# Altium PCB mach PCB.PcbDoc (part 3 of 6) (continued)
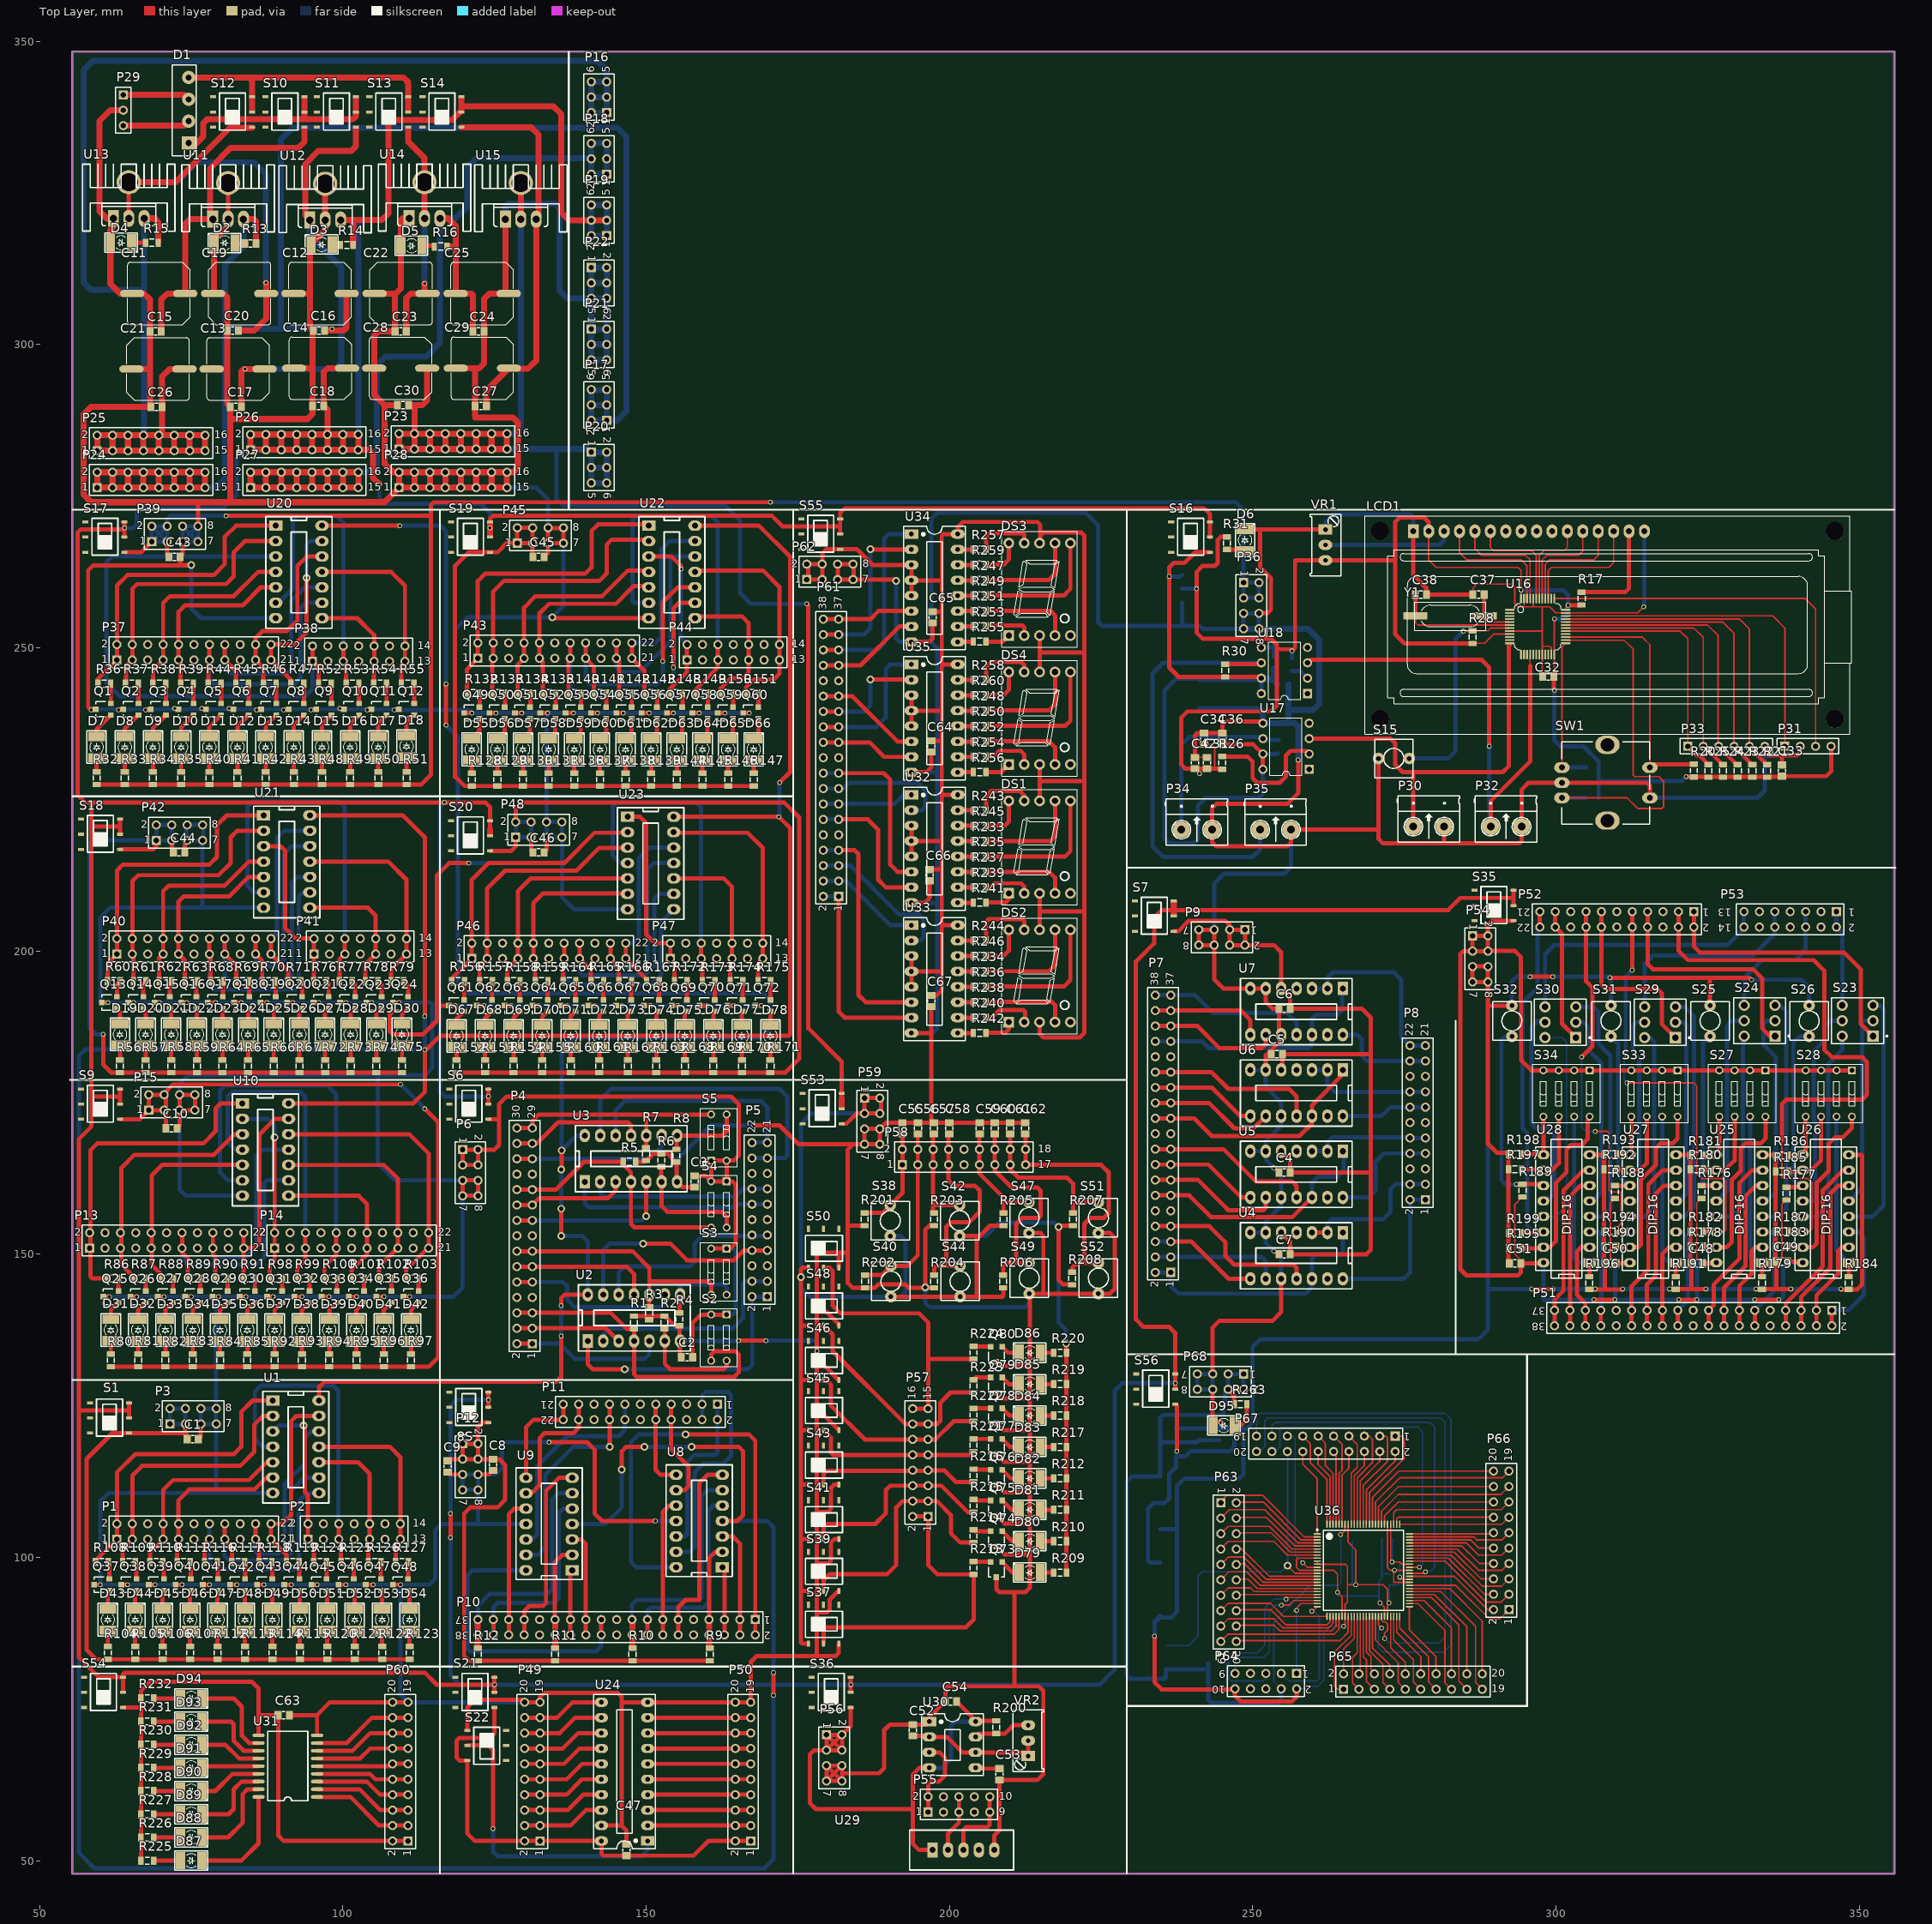
[diagram p0: Top Layer view]
## Nets (pads, with @x,y where several pads share a name; then routed paths per layer and width w, separated by ;. In a path a pad name is that pad's centre, name@x,y a point inside that pad or via, vN(x,y) a via of type N, cw(c..) or ccw(c..) an arc to the next point about the centre after c; other vN are vias at no path point) (continued)
  Bottom Layer w0.254: 197,251 197.03,250.97 ; 233.828,88.908 C78.2@235,90.08 ; P68.6@243.5,127.79 P68.6@243.42,127.71 243.575,127.555 C71.2@243.575,125.25 ; C79.1@244.5,121.175 C79.1@244.625,121.3 ; C76.1@246.875,121.3 C76.1@247,121.175 ; C39.1@253.5,248.425 254.325,248.425 ; P64.2@257.25,78.34 R262.2@259.39,78.34 ; R262.2@259.75,78.7 260.7,78.7 261.75,79.75 261.75,87.5 262.88,88.63 pad.10@265,88.63 ; C75.2@266.425,102.63 266.425,95.88 C69.2@265.925,95.38 266.88,95.38 pad.0@267,95.5 ; pad.4@272.5,92.5 C70.2@272.5,93.805 ; C70.2@272.675,93.63 C70.2@272.5,93.805 ; C72.2@273.175,103.13 273,102.955 pad.0@273,99.25 274,99.25 274.25,99 pad.1@274.25,96.75 274.25,95.75 273.955,95.455 C68.2@272.5,95.455 C70.2@272.5,93.805
  Bottom Layer w0.7: pad.0@58.5,239.75 58.609,239.859 108.891,239.859 109,239.75 ; pad.36@61.5,143 pad.35@66,143 pad.34@70.5,143 pad.33@75,143 pad.32@79.5,143 ; P15.5@73.08,173.75 73.08,160.67 74.12,159.63 U10.7@83.44,159.63 ; P15.6@73.08,176.29 73.08,178.08 74.5,179.5 105.75,179.5 ; P42.5@74.25,217.75 74.25,220.71 P42.6@74.33,220.79 P42.8@76.87,220.79 77,220.66 77,218.25 P42.7@76.87,218.25 ; P42.5@74.33,218.25 P42.7@76.87,218.25 ; v1(75,263.655) 75,256.5 76.62,254.88 U20.7@88.94,254.88 ; U21.7@86.94,207.13 77,207.13 ; U1.7@88.44,110.63 79.25,110.63 ; pad.11@108.5,239.75 109,239.75 ; pad.16@118.5,191 pad.15@169,191 ; P6.7@119.75,159.63 119.75,144.5 118.25,143 pad.25@111,143 pad.26@106.75,143 pad.27@102.25,143 pad.28@97.75,143 pad.29@93.25,143 pad.30@88.5,143 pad.31@84,143 pad.32@79.5,143 ; P6.5@119.75,162.17 108.58,162.17 105.75,165 105.75,179.5 ; pad.83@120.75,214.5 135.87,214.5 136.12,214.75 ; P28.15@127.058,276.412 131.838,276.412 133.83,274.42 P45.6@133.83,269.79 ; P49.20@129.96,76.11 P60.19@110.75,76.11 109.5,77.36 pad.38@109.5,95.5 ; U9.11@130.19,105.5 122.25,105.5 ; P48.6@133.5,221.25 133.58,221.17 P48.5@133.58,218.75 P48.7@136.12,218.75 ; pad.4@133.75,239.25 133.58,239.08 P48.6@133.58,221.29 P48.8@136.12,221.29 P48.7@136.12,218.75 ; pad.29@134,119 126.75,119 126.25,118.5 126.25,114.75 125.17,113.67 P12.6@122.29,113.67 ; P45.7@136.37,267.25 136.37,256.87 v1(134.5,255) 120.5,255 118.5,253 118.5,239.75 ; U23.7@146.94,206.88 138.12,206.88 136.12,208.88 136.12,214.75 ; pad.28@151.5,106 U8.11@154.94,106 ; U3.7@155.12,161.94 155.12,165.62 160.75,171.25 pad.62@167.75,171.25 ; U2.7@155.62,135.69 165.19,135.69 pad.41@165.25,135.75 ; pad.0@167,239.25 pad.1@121.25,239.25 120.75,239.75 118.5,239.75 ; pad.43@169.75,135.75 177.75,135.75 178.15,135.35 pad.42@178.15,134 ; v1(191.25,261) 191.25,251.5 191.78,250.97 U34.8@193.75,250.97 197.03,250.97 198,250 198,229.25 ; U33.8@193.75,186.47 197.22,186.47 198,187.25 198,208 ; U32.8@193.75,207.97 197.97,207.97 198,208 ; U35.8@193.75,229.47 197.78,229.47 198,229.25 ; v1(196,144.5) 196,142 196.703,141.297 212.547,141.297 213.167,141.917 S49.2@213.167,143.483 ; 197,251 197,271.25 198,272.25 222.5,272.25 224.5,270.25 224.5,254.25 225.126,253.624 238.35,253.624 ; Y2.2@233.828,85.452 pad.81@233.828,87 233.828,88.908 233.828,89.454 C78.2@234.75,90.376 ; C77.2@234.75,104.626 237.5,104.626 ; C78.2@235,90.08 236.58,90.08 237.5,91 237.5,104.626 ; U37.1@237.4,121.3 C79.1@244.625,121.3 ; U19.1@238.35,257.45 238.35,253.624 ; C71.2@243.575,125.25 243.42,125.405 P68.6@243.42,127.71 ; P9.5@243.67,203.5 243.67,211.17 245.25,212.75 255.25,212.75 256.33,213.83 P35.2@256.33,220 ; C73.2@244.675,78.25 247,78.25 P64.10@247.09,78.34 ; pad.82@244.75,122.25 244.75,121.425 C79.1@244.625,121.3 ; P36.7@248.5,253.13 241.744,253.13 C41.2@241.25,253.624 238.35,253.624 ; P36.7@248.5,253.25 P36.5@248.5,255.67 P36.6@251.04,255.67 P36.8@251.04,253.13 251.04,250.46 U18.5@251.44,250.06 252.44,250.06 ; U4.7@249.63,153.56 U4.6@252.17,153.56 ; U5.7@249.63,166.977 U5.6@252.17,166.977 ; U6.7@249.63,180.393 U6.6@252.17,180.393 252.17,177.58 254.71,175.04 U6.10@254.71,172.773 254.71,171.21 252.17,168.67 U5.6@252.17,166.977 ; 252.5,250.12 252.44,250.06 ; C39.1@253.5,248.425 253.5,250 253.44,250.06 252.44,250.06 ; U4.10@254.71,145.94 254.71,149.29 pad.27@253.5,150.5 252.17,151.83 U4.6@252.17,153.56 ; 255.925,237.575 255.94,237.56 ; 256,237.75 256,239.5 C35.1@256,243.925 ; VR1.1@262,269.5 262,270.75 263.25,272 267.75,272 ; 266,272 267.75,272 ; LCD1.1@276.5,269.22 276.5,271.5 276,272 267.75,272 ; P54.8@288.79,194.88 288.79,144.25 ; S32.1@292.75,191 292.75,195 293.5,195.75 pad.1@295.75,195.75 ; pad.21@296,144.25 288.79,144.25 ; pad.22@299.5,144.25 pad.23@306.5,144.25 ; pad.0@299.5,195.75 308.75,195.75 309.083,195.417 S31.1@309.083,191 ; pad.15@311,144.25 pad.16@318.75,144.25 ; pad.75@314.5,256.75 314.6,256.85 LCD1.16@314.6,269.22 ; SW1.4@315.5,225.25 333.25,225.25 334.45,226.45 P33.6@334.45,233.75 ; pad.19@324.75,144.25 pad.17@333,144.25 ; pad.3@332.25,195.25 340.5,195.25 341.75,194 S26.1@341.75,191 ; pad.20@338.75,144.25 pad.18@347,144.25 ; P39.5@73.58,267.5 P39.7@76.12,267.5 ; P39.5@73.58,267.5 P39.6@73.58,270.04 ; P39.5@73.58,267.5 74.85,268.77 ; P39.6@73.58,270.04 74.85,268.77 ; P39.6@73.58,270.04 73.5,270.12 73.5,270.25 73.71,270.04 P39.8@76.12,270.04 ; 74.85,268.77 P39.7@76.12,267.5 ; 74.85,268.77 P39.8@76.12,270.04 ; P39.7@76.12,267.5 P39.8@76.12,270.04 ; P42.7@76.87,218.25 76.87,207.26 77,207.13 ; 77,207.13 61.63,207.13 60,205.5 60,191.5 pad.13@61.25,191.5 pad.14@65.5,191.5 pad.15@69.75,191.5 pad.16@74.25,191.5 pad.17@79,191.5 pad.18@83.25,191.5 pad.19@87.5,191.5 pad.20@91.75,191.5 pad.21@96,191.5 pad.22@100.5,191.5 pad.23@104.75,191.5 pad.24@109.25,191.5 114.5,191.5 114.75,191.25 114.75,180.75 113.5,179.5 105.75,179.5 ; P3.7@79.12,122 P3.8@79.12,124.54 ; P3.7@79.12,122 P3.5@76.58,122 P3.6@76.58,124.54 P3.8@79.12,124.54 ; P3.7@79.12,122 79.12,110.76 79.25,110.63 ; P3.8@79.12,124.54 79.12,142.62 pad.32@79.5,143 ; 79.25,110.63 61.38,110.63 60,109.25 pad.49@60,95.5 pad.48@64.5,95.5 pad.47@69,95.5 pad.46@73.5,95.5 pad.45@78,95.5 pad.44@82.5,95.5 pad.43@87,95.5 pad.42@91.5,95.5 pad.41@95.75,95.5 pad.40@100.5,95.5 pad.39@105,95.5 pad.38@109.5,95.5 ; 109,239.75 118.5,239.75 ; pad.38@109.5,95.5 114.25,95.5 115.25,96.5 115.25,104.5 116.25,105.5 122.25,105.5 ; 122.25,105.5 122.29,105.54 P12.8@122.29,111.13 ; P12.8@122.29,111.13 P12.6@122.29,113.67 ; P12.8@122.29,111.13 P12.7@119.75,111.13 P12.5@119.75,113.67 P12.6@122.29,113.67 ; 136.12,214.75 P48.7@136.12,218.75 ; 198,208 198,229.25 ; 237.5,104.626 237.5,111.75 238.75,113 247.75,113 248.5,113.75 248.5,121.3 ; P68.6@243.42,127.71 P68.5@243.42,130.25 P68.7@240.88,130.25 P68.8@240.88,127.71 P68.6@243.42,127.71 ; C79.1@244.625,121.3 246.875,121.3 248.5,121.3 ; 248.5,121.3 249.05,121.3 250,122.25 250,134.75 251.25,136 287.25,136 288.79,137.54 288.79,144.25 ; U4.6@252.17,153.56 252.17,155.42 254.71,157.96 U5.10@254.71,159.357 254.71,163.04 pad.28@253.5,164.25 252.17,165.58 U5.6@252.17,166.977
  Bottom Layer w1: U15.1@126.804,320.671 126.804,322.804 127.25,323.25 135,323.25 135.75,322.5 135.75,308.875 137,307.625 P22.5@140.96,307.625 ; P22.1@140.96,312.705 P22.3@140.96,310.165 ; P22.1@141.25,312.705 P22.2@143.5,312.705 P22.4@143.5,310.165 ; C40.2@241.25,239.874 251.126,239.874 251.69,239.31 U17.5@251.69,237.56 255.94,237.56 256.94,237.56 257.5,237 pad.71@257.5,231.5 ; P36.7@248.5,253.13 248.5,253.25 248.62,253.13 P36.8@251.04,253.13 259.12,253.13 261,251.25 261,240.75 260,239.75 256.25,239.75 256,239.5 ; 255.925,237.575 C35.1@255.925,244 ; P21.3@140.96,300.013 P21.4@143.5,300.013 ; P21.3@140.96,300.013 P21.1@140.96,302.553 ; P21.3@140.96,300.013 P21.5@140.96,297.473 P21.6@143.5,297.473 P21.4@143.5,300.013 ; P21.1@140.96,302.553 P21.2@143.5,302.553 ; P21.1@140.96,302.553 P22.5@140.96,307.625 ; P22.5@140.96,307.625 P22.6@143.5,307.625 ; P22.5@140.96,307.625 P22.3@140.96,310.165 ; P22.3@140.96,310.165 P22.4@143.5,310.165 ; P21.4@143.5,300.013 P21.2@143.5,302.553 ; P21.2@143.5,302.553 P22.6@143.5,307.625 ; P22.6@143.5,307.625 P22.4@143.5,310.165
IO0: P63.1 U36.2 | length 19.2
  Top Layer w0.254: P63.1@244.75,109.25 245.75,110.25 251.63,110.25 258.5,103.38 U36.2@260.65,103.38
IO1: P63.2 U36.3 | length 16.2
  Top Layer w0.254: P63.2@247,109.13 251.75,109.13 258,102.88 U36.3@260.65,102.88
IO2: P63.3 U36.4 | length 18.8
  Top Layer w0.254: P63.3@244.75,106.46 246.17,107.88 252,107.88 257.5,102.38 U36.4@260.65,102.38
IO3: P63.4 U36.5 | length 15.6
  Top Layer w0.254: P63.4@247,106.59 252.29,106.59 257,101.88 U36.5@260.65,101.88
IO4: P63.5 U36.6 | length 18
  Top Layer w0.254: P63.5@244.75,103.92 245.96,105.13 252.75,105.13 256.5,101.38 U36.6@260.65,101.38
IO5: P63.6 U36.7 | length 14.7
  Top Layer w0.254: P63.6@247.29,104.05 253.08,104.05 256.25,100.88 U36.7@260.65,100.88
IO6: P63.7 U36.8 | length 17.3
  Top Layer w0.254: P63.7@244.75,101.38 246,102.63 253.5,102.63 255.75,100.38 U36.8@260.65,100.38
IO7: P63.8 U36.15 | length 15.6
  Top Layer w0.254: P63.8@247,101.51 248.12,101.51 252.75,96.88 U36.15@260.65,96.88
IO8: P63.9 U36.16 | length 17.9
  Top Layer w0.254: P63.9@244.75,98.84 245.957,100.047 248.583,100.047 252.25,96.38 U36.16@260.65,96.38
IO9: P63.10 U36.17 | length 14.6
  Top Layer w0.254: P63.10@247.29,98.97 248.66,98.97 251.75,95.88 U36.17@260.65,95.88
IO10: P63.11 U36.18 | length 18
  Top Layer w0.254: P63.11@244.75,96.3 246.08,97.63 249,97.63 251.25,95.38 U36.18@260.65,95.38 261.264,95.38
IO11: P63.12 U36.19 | length 13.8
  Top Layer w0.254: P63.12@247.5,96.43 249.2,96.43 250.75,94.88 U36.19@260.65,94.88
IO12: P63.13 U36.20 | length 16.6
  Top Layer w0.254: P63.13@244.75,93.76 245.957,94.967 249.663,94.967 250.25,94.38 U36.20@260.65,94.38
IO13: P63.14 U36.21 | length 13.9
  Top Layer w0.254: P63.14@246.75,93.89 246.76,93.88 U36.21@260.65,93.88
IO14: P63.15 U36.26 | length 18.9
  Top Layer w0.254: P63.15@244.75,91.22 245.957,92.427 252.953,92.427 255.1,90.28 U36.26@262.25,90.28
IO15: P63.16 U36.27 | length 17.6
  Top Layer w0.254: P63.16@247.29,91.35 253.03,91.35 255.5,88.88 262.25,88.88 262.75,89.38 U36.27@262.75,90.28
IO16: P63.17 U36.28 | length 21.1
  Top Layer w0.254: P63.17@244.75,88.68 245.957,89.887 253.493,89.887 255,88.38 262.5,88.38 263.25,89.13 U36.28@263.25,90.28
IO17: P63.18 U36.29 | length 18.8
  Top Layer w0.254: P63.18@247.29,88.81 253.57,88.81 254.5,87.88 263,87.88 263.75,88.63 U36.29@263.75,90.28
IO18: P63.19 U36.30 | length 22.8
  Top Layer w0.254: P63.19@244.75,86.14 245.957,87.347 263.467,87.347 264.25,88.13 264.25,89.705 U36.30@264.25,90.28 ; 264.25,88.846 264.25,89.13
IO19: P63.20 U36.33 | length 21.7
  Top Layer w0.254: P63.20@247.25,86.27 264.39,86.27 265.75,87.63 U36.33@265.75,90.28
IO20: P65.1 U36.34 | length 14.4
  Top Layer w0.254: P65.1@265,78.25 264,78.25 263.5,78.75 263.5,84.38 266.25,87.13 U36.34@266.25,90.28
IO21: P65.2 U36.35 | length 10.2
  Top Layer w0.254: P65.2@265,80.79 265,84.88 266.75,86.63 U36.35@266.75,90.28
IO22: P65.3 U36.36 | length 12.8
  Top Layer w0.254: U36.36@267.25,90.28 267.25,84.25 266.463,83.463 266.463,79.327 P65.3@267.54,78.25
IO23: P65.4 U36.37 | length 9.6
  Top Layer w0.254: P65.4@267.54,80.79 267.75,81 U36.37@267.75,90.28
IO24: P65.5 U36.38 | length 12.8
  Top Layer w0.254: U36.38@268.25,90.28 268.25,83.63 268.75,83.13 268.75,79.58 P65.5@270.08,78.25
IO25: P65.6 U36.39 | length 10
  Top Layer w0.254: U36.39@268.75,90.28 268.75,84.38 269.5,83.63 269.5,81.5 P65.6@270.145,80.855
IO26: P65.7 U36.40 | length 13.4
  Top Layer w0.254: U36.40@269.25,90.28 269.25,84.63 271.5,82.38 271.5,79.37 P65.7@272.62,78.25
IO27: P65.8 U36.41 | length 10.7
  Top Layer w0.254: U36.41@269.75,90.28 269.75,85.13 272.62,82.26 P65.8@272.62,80.79
IO28: P65.9 U36.42 | length 14.1
  Top Layer w0.254: U36.42@270.25,90.28 270.25,86.38 274,82.63 274,79.41 P65.9@275.16,78.25
IO29: P65.10 U36.47 | length 10.5
  Top Layer w0.254: U36.47@272.75,90.28 272.75,85.13 275.16,82.72 P65.10@275.16,80.79
IO30: P65.11 U36.48 | length 13.9
  Top Layer w0.254: U36.48@273.25,90.28 273.25,86.38 276.5,83.13 276.5,79.45 P65.11@277.7,78.25
IO31: P65.12 U36.49 | length 11.3
  Top Layer w0.254: U36.49@273.75,90.28 273.75,87.63 277.75,83.63 277.75,81.04 P65.12@277.5,80.79
IO32: P65.13 U36.50 | length 14.5
  Top Layer w0.254: U36.50@274.25,90.28 274.25,88.38 279,83.63 279,79.49 P65.13@280.24,78.25
IO33: P65.14 U36.51 | length 12.9
  Top Layer w0.254: U36.51@275.85,91.88 275.85,88.03 280.24,83.64 P65.14@280.24,80.75
IO34: P65.15 U36.52 | length 17.8
  Top Layer w0.254: U36.52@275.85,92.38 277.25,92.38 281.703,87.927 281.703,79.327 P65.15@282.78,78.25
IO35: P65.16 U36.53 | length 16.4
  Top Layer w0.254: U36.53@275.85,92.88 278.25,92.88 282.78,88.35 P65.16@282.78,80.79
IO36: P65.17 U36.54 | length 21.2
  Top Layer w0.254: U36.54@275.85,93.38 279.5,93.38 284,88.88 284,79.57 P65.17@285.32,78.25
IO37: P65.18 U36.55 | length 19.4
  Top Layer w0.254: U36.55@275.85,93.88 280,93.88 285.32,88.56 P65.18@285.32,80.79
IO38: P65.19 U36.56 | length 24.1
  Top Layer w0.254: U36.56@275.85,94.38 281,94.38 286.75,88.63 286.75,79.36 P65.19@287.86,78.25
IO39: P65.20 U36.57 | length 23
  Top Layer w0.254: U36.57@275.85,94.88 282.5,94.88 287.86,89.52 P65.20@287.86,80.79
IO40: P66.1 U36.58 | length 19.3
  Top Layer w0.254: U36.58@275.85,95.38 283.5,95.38 289,89.88 290.75,89.88 P66.1@292.25,91.38
IO41: P66.2 U36.61 | length 16.1
  Top Layer w0.254: U36.61@275.85,96.88 283.25,96.88 288.75,91.38 P66.2@289.71,91.38
IO42: P66.3 U36.66 | length 19.7
  Top Layer w0.254: U36.66@275.85,99.38 281.75,99.38 288.5,92.63 290.96,92.63 P66.3@292.25,93.92
IO43: P66.4 U36.67 | length 16.3
  Top Layer w0.254: U36.67@275.85,99.88 282.25,99.88 288.21,93.92 P66.4@289.71,93.92
IO44: P66.5 U36.68 | length 19
  Top Layer w0.254: U36.68@275.85,100.38 282.75,100.38 287.88,95.25 291.04,95.25 P66.5@292.25,96.46
IO45: P66.6 U36.69 | length 15.7
  Top Layer w0.254: U36.69@275.85,100.88 283.25,100.88 287.67,96.46 P66.6@289.71,96.46
IO46: P66.7 U36.70 | length 18.3
  Top Layer w0.254: U36.70@275.85,101.38 283.75,101.38 287.25,97.88 291.13,97.88 P66.7@292.25,99
IO47: P66.8 U36.71 | length 15.1
  Top Layer w0.254: U36.71@275.85,101.88 284.5,101.88 287.38,99 P66.8@289.71,99
IO48: P66.9 U36.72 | length 17.7
  Top Layer w0.254: U36.72@275.85,102.38 285.25,102.38 287.25,100.38 291.09,100.38 P66.9@292.25,101.54
IO49: P66.10 U36.73 | length 14.4
  Top Layer w0.254: U36.73@275.85,102.88 286,102.88 287.34,101.54 P66.10@289.71,101.54
IO50: P66.11 U36.74 | length 17.1
  Top Layer w0.254: U36.74@275.85,103.38 286.5,103.38 287,102.88 291.05,102.88 P66.11@292.25,104.08
IO51: P66.12 U36.75 | length 13.9
  Top Layer w0.254: U36.75@275.85,103.88 P66.12@289.71,103.88
IO52: P66.13 U36.76 | length 18.5
  Top Layer w0.254: U36.76@274.25,105.48 291.11,105.48 P66.13@292.25,106.62
IO53: P66.14 U36.77 | length 17
  Top Layer w0.254: U36.77@273.75,105.48 273.75,106.38 273.99,106.62 P66.14@289.71,106.62
IO54: P66.15 U36.78 | length 21.6
  Top Layer w0.254: U36.78@273.25,105.48 273.25,107.38 273.75,107.88 290.97,107.88 P66.15@292.25,109.16
IO55: P66.16 U36.81 | length 20.3
  Top Layer w0.254: U36.81@271.75,105.48 271.75,106.88 274.03,109.16 P66.16@289.71,109.16
IO56: P66.17 U36.82 | length 24.8
  Top Layer w0.254: U36.82@271.25,105.48 271.25,107.63 274,110.38 290.93,110.38 P66.17@292.25,111.7
IO57: P66.18 U36.83 | length 23.2
  Top Layer w0.254: U36.83@270.75,105.48 270.75,108.38 274.07,111.7 P66.18@289.71,111.7
IO58: P66.19 U36.84 | length 27.8
  Top Layer w0.254: U36.84@270.25,105.48 270.25,109.13 274.25,113.13 291.14,113.13 P66.19@292.25,114.24
IO59: P66.20 U36.85 | length 26.2
  Top Layer w0.254: U36.85@269.75,105.48 269.75,109.88 274.11,114.24 P66.20@289.71,114.24
IO60: P67.1 U36.86 | length 18.1
  Top Layer w0.254: U36.86@269.25,105.48 269.25,110.63 275,116.38 275,119.5 274.5,120 P67.1@273.5,120
IO61: P67.2 U36.87 | length 13.9
  Top Layer w0.254: U36.87@268.75,105.48 268.75,111.13 273.5,115.88 P67.2@273.5,117.46
IO62: P67.3 U36.88 | length 17.3
  Top Layer w0.254: U36.88@268.25,105.48 268.25,111.88 272.25,115.88 272.25,119.75 272,120 P67.3@270.96,120
IO63: P67.4 U36.89 | length 13.3
  Top Layer w0.254: U36.89@267.75,105.48 267.75,112.63 270.96,115.84 P67.4@270.96,117.46
IO64: P67.5 U36.90 | length 16.6
  Top Layer w0.254: U36.90@267.25,105.48 267.25,113.13 269.75,115.63 269.75,119.5 269.25,120 P67.5@268.42,120
IO65: P67.6 U36.91 | length 12.7
  Top Layer w0.254: U36.91@266.75,105.48 266.75,113.46 268.42,115.13 P67.6@268.42,117.46
IO66: P67.7 U36.92 | length 15.5
  Top Layer w0.254: P67.7@265.88,120 267.25,118.63 267.25,114.88 266.25,113.88 U36.92@266.25,105.48
IO67: P67.8 U36.95 | length 12.4
  Top Layer w0.254: U36.95@264.75,105.48 264.75,113.63 265.88,114.76 P67.8@265.88,117.46
IO68: P67.9 U36.96 | length 15.3
  Top Layer w0.254: P67.9@263.34,120 264.75,118.59 264.75,114.38 264.25,113.88 U36.96@264.25,105.48
IO69: P67.10 U36.97 | length 11.6
  Top Layer w0.254: U36.97@263.75,105.48 P67.10@263.75,117.05
IO70: P67.11 U36.98 | length 15.5
  Top Layer w0.254: P67.11@260.8,120 262,118.8 262,115.13 263.25,113.88 U36.98@263.25,105.48
IO71: P67.12 U36.99 | length 12.8
  Top Layer w0.254: P67.12@260.8,117.46 260.8,115.33 262.75,113.38 U36.99@262.75,105.48
IO72: P67.13 U36.100 | length 16.2
  Top Layer w0.254: P67.13@258.26,120 259.5,118.76 259.5,115.63 262.25,112.88 U36.100@262.25,105.48
IO73: P67.14 U36.1 | length 14.6
  Top Layer w0.254: P67.14@258.26,117.46 258.26,115.37 260.65,112.98 U36.1@260.65,103.88
J0: P10.1 P10.2 U8.14 | length 81
  Top Layer w0.7: v1(156.5,120.25) 167,120.25 168,119.25 P10.1@168,89.75 P10.2@168,87.21
  Bottom Layer w0.7: U8.14@154.94,98.38 148.37,98.38 147.5,99.25 147.5,119 148.75,120.25 v1(156.5,120.25)
J1: P10.11 P10.12 U8.7 | length 32.2
  Top Layer w0.7: P10.12@155.3,87.21 P10.11@155.3,89.75 155.3,91.8 156.5,93 158.75,93 158.75,112.25 160.12,113.62 U8.7@162.56,113.62
J2: P10.21 P10.22 U9.14 | length 51.7
  Top Layer w0.7: P10.22@142.6,87.21 P10.21@142.6,89.75
  Bottom Layer w0.7: U9.14@130.19,97.88 121.38,97.88 120.5,97 120.5,85 121,84.5 141.75,84.5 142.6,85.35 P10.22@142.6,87.21 P10.21@142.6,89.75
J3: P10.31 P10.32 U9.7 | length 31.8
  Top Layer w0.7: P10.32@129.9,87.21 P10.31@129.9,89.75 129.9,91.15 130.75,92 133,92 133.5,92.5 133.5,111 135.62,113.12 U9.7@137.81,113.12
JKCLK0: P10.5 P10.6 U8.1 | length 11.3
  Top Layer w0.7: U8.1@162.56,98.38 162.92,98.02 P10.5@162.92,89.75 P10.6@162.92,87.21
JKCLK1: P10.15 P10.16 U8.5 | length 32.5
  Top Layer w0.7: P10.16@150.22,87.21 P10.15@150.22,89.75
  Bottom Layer w0.7: P10.15@150.22,89.75 150.22,91.22 150.75,91.75 159.5,91.75 160.25,92.5 160.25,107.75 161.04,108.54 U8.5@162.56,108.54
JKCLK2: P10.25 P10.26 U9.1 | length 10.8
  Top Layer w0.7: P10.26@137.52,87.21 P10.25@137.52,89.75 137.52,97.59 U9.1@137.81,97.88
JKCLK3: P10.35 P10.36 U9.5 | length 32.5
  Top Layer w0.7: P10.36@124.82,87.21 P10.35@124.82,89.75
  Bottom Layer w0.7: P10.35@124.82,89.75 124.82,91.82 125.5,92.5 134.75,92.5 135.6,93.35 135.6,107.35 136.29,108.04 U9.5@137.81,108.04
JKCLR0: P10.7 P10.8 R9.1 U8.2 | length 17.5
  Top Layer w0.7: P10.7@160.38,89.75 160.38,99.88 161.42,100.92 U8.2@162.56,100.92
  Top Layer w1: P10.7@160.38,89.75 P10.8@160.38,87.21 160.38,85.17 R9.1@160.5,85.05
JKCLR1: P10.17 P10.18 R10.1 U8.6 | length 39.7
  Top Layer w1: P10.17@147.68,89.75 147.75,89.68 R10.1@147.75,85.05
  Bottom Layer w0.7: P10.17@147.68,89.75 147.68,92.18 148.5,93 158.75,93 159.15,93.4 159.15,110.15 160.08,111.08 U8.6@162.56,111.08
JKCLR2: P10.27 P10.28 R11.1 U9.2 | length 20.1
  Top Layer w0.7: P10.28@134.98,87.21 P10.27@134.98,89.75 134.98,99.23 136.17,100.42 U9.2@137.81,100.42
  Top Layer w1: P10.27@134.98,89.75 135,89.73 R11.1@135,85.05
JKCLR3: P10.37 P10.38 R12.1 U9.6 | length 41.4
  Top Layer w1: R12.1@122.25,85.05 122.25,89.72 P10.37@122.28,89.75
  Bottom Layer w0.7: P10.38@122.28,87.21 P10.37@122.28,89.75 122.28,92.03 124.25,94 133.75,94 134.5,94.75 134.5,109.58 135.5,110.58 U9.6@137.81,110.58
JKNQ0: P11.3 P11.4 U8.13 | length 42
  Bottom Layer w0.7: U8.13@154.94,100.92 157.17,100.92 158,101.75 158,114 159.5,115.5 162.75,115.5 164,116.75 164,126.75 163.5,127.25 159.75,127.25 159.25,126.75 P11.4@159.25,122.71
JKNQ1: P11.9 P11.10 U8.8 | length 14.5
  Top Layer w0.7: P11.9@151.59,125.25 P11.10@151.59,122.71 151.59,114.41 152.38,113.62 U8.8@154.94,113.62
JKNQ2: P11.15 P11.16 U9.13 | length 35.2
  Top Layer w0.7: P11.15@143.97,125.25 144,125.22 v1(144,118.25)
  Bottom Layer w0.7: U9.13@130.19,100.42 132.17,100.42 133.4,101.65 133.4,113.65 138,118.25 v1(144,118.25)
JKNQ3: P11.21 P11.22 U9.8 | length 17.5
  Top Layer w0.7: U9.8@130.19,113.12 130.19,121.44 131.46,122.71 P11.22@136.35,122.71 P11.21@136.35,125.25
JKQ0: P11.1 P11.2 U8.12 | length 27.5
  Bottom Layer w0.7: U8.12@154.94,103.46 156.36,103.46 156.79,103.89 156.79,115.75 157.905,116.865 161.365,116.865 161.75,117.25 P11.2@161.75,122.71 P11.1@161.75,125.25
JKQ1: P11.7 P11.8 U8.9 | length 17
  Top Layer w0.7: P11.7@154.13,125.25 P11.8@154.13,122.71 154.13,117.87 157,115 157,111.75 156.33,111.08 U8.9@154.94,111.08
JKQ2: P11.13 P11.14 U9.12 | length 34.6
  Bottom Layer w0.7: U9.12@130.19,102.96 131.21,102.96 132.04,103.79 132.04,115.04 137,120 145.5,120 146.51,121.01 P11.14@146.51,122.71 P11.13@146.51,125.25
JKQ3: P11.19 P11.20 U9.9 | length 21.6
  Top Layer w0.7: U9.9@130.19,110.58 131.08,110.58 132.5,112 132.5,119.75 133.25,120.5 138,120.5 138.89,121.39 P11.20@138.89,122.71 P11.19@138.89,125.25
K0: P10.3 P10.4 U8.3 | length 18.5
  Top Layer w0.7: U8.3@162.56,103.46 164.29,103.46 165.46,102.29 P10.3@165.46,89.75 P10.4@165.46,87.21
K1: P10.13 P10.14 U8.10 | length 22.9
  Top Layer w0.7: P10.14@152.76,87.21 P10.13@152.76,89.75 152.76,107.51 153.79,108.54 U8.10@154.94,108.54
K2: P10.23 P10.24 U9.3 | length 17.5
  Top Layer w0.7: U9.3@137.81,102.96 139.29,102.96 140.06,102.19 P10.23@140.06,89.75 P10.24@140.06,87.21
K3: P10.33 P10.34 U9.10 | length 23.1
  Top Layer w0.7: P10.34@127.36,87.21 P10.33@127.36,89.75 127.36,107.15 128.25,108.04 U9.10@130.19,108.04
LCD_D4: LCD1.11 U16.42 | length 15
  Top Layer w0.254: U16.42@297.25,258.116 297.25,265.25 298.071,266.071 301.429,266.071 301.9,266.542 LCD1.11@301.9,269.22
LCD_D5: LCD1.12 U16.41 | length 17
  Top Layer w0.254: U16.41@297.75,258.116 297.75,264.5 298.5,265.25 303.75,265.25 304.44,265.94 LCD1.12@304.44,269.22
LCD_D6: LCD1.13 U16.40 | length 19
  Top Layer w0.254: U16.40@298.25,258.116 298.25,263.75 299,264.5 306.25,264.5 306.98,265.23 LCD1.13@306.98,269.22
LCD_D7: LCD1.14 U16.39 | length 21.1
  Top Layer w0.254: U16.39@298.75,258.116 298.75,262.75 299.25,263.25 308.75,263.25 309.52,264.02 LCD1.14@309.52,269.22
LCD_EN: LCD1.6 U16.43 | length 17.9
  Top Layer w0.254: LCD1.6@289.2,269.22 289.2,266.55 289.75,266 296,266 296.75,265.25 U16.43@296.75,258.116
LCD_RS: LCD1.4 U16.46 | length 21.3
  Top Layer w0.254: LCD1.4@284.12,269.22 284.12,265.63 285.25,264.5 294.25,264.5 295.227,263.523 U16.46@295.227,257.75
LCD_RW: LCD1.5 U16.45 | length 19.1
  Top Layer w0.254: LCD1.5@286.66,269.22 286.66,266.34 287.75,265.25 295,265.25 295.75,264.5 U16.45@295.75,258.116
LED1_A0: P61.1 P61.2 U33.7 | length 34
  Top Layer w0.7: P61.1@181.75,209 181.75,190 182.74,189.01 U33.7@193.75,189.01
  Bottom Layer w0.7: P61.2@179.21,209 P61.1@181.75,209
LED1_A1: P61.3 P61.4 U33.1 | length 17.6
  Bottom Layer w0.7: P61.4@179.21,211.54 P61.3@181.75,211.54 182.96,211.54 190.25,204.25 U33.1@193.75,204.25
LED1_A2: P61.5 P61.6 U33.2 | length 25.4
  Bottom Layer w0.7: P61.6@179.21,214.08 P61.5@181.75,214.08 183.67,214.08 191.75,206 195,206 195.75,205.25 195.75,202.25 195.21,201.71 U33.2@193.75,201.71
LED1_A3: P61.7 P61.8 U33.6 | length 38.5
  Top Layer w0.7: P61.7@181.75,216.62 184.38,216.62 185,216 185,192.75 186.2,191.55 U33.6@193.75,191.55
  Bottom Layer w0.7: P61.8@179.21,216.62 P61.7@181.75,216.62
LED2_A0: P61.11 P61.12 U32.7 | length 24
  Top Layer w0.7: P61.11@181.75,221.7 186.55,221.7 188.25,220 188.25,211.75 189.49,210.51 U32.7@193.75,210.51
  Bottom Layer w0.7: P61.12@179.21,221.7 P61.11@181.75,221.7
LED2_A1: P61.13 P61.14 U32.1 | length 15.2
  Bottom Layer w0.7: P61.14@179.21,224.24 P61.13@181.75,224.24 190.99,224.24 192.5,225.75 U32.1@193.75,225.75
LED2_A2: P61.15 P61.16 U32.2 | length 22.9
  Bottom Layer w0.7: P61.16@179.21,226.78 P61.15@181.75,226.78 182.53,226.78 183.5,227.75 194.75,227.75 196,226.5 196,223.75 195.46,223.21 U32.2@193.75,223.21
LED2_A3: P61.17 P61.18 U32.6 | length 29.5
  Top Layer w0.7: P61.17@181.75,229.32 189.18,229.32 190.25,228.25 190.25,214.25 191.45,213.05 U32.6@193.75,213.05
  Bottom Layer w0.7: P61.18@179.21,229.32 P61.17@181.75,229.32
LED3_A0: P61.21 P61.22 U35.7 | length 15.5
  Top Layer w0.7: P61.22@179.21,234.4 P61.21@181.75,234.4 186.85,234.4 189.24,232.01 U35.7@193.75,232.01
LED3_A1: P61.23 P61.24 U35.1 | length 23.5
  Top Layer w0.7: P61.24@179.21,236.94 P61.23@181.75,236.94
  Bottom Layer w0.7: P61.23@181.75,236.94 187.94,236.94 189.5,238.5 189.5,246.5 190.25,247.25 U35.1@193.75,247.25
LED3_A2: P61.25 P61.26 U35.2 | length 19.2
  Top Layer w0.7: P61.26@179.21,239.48 P61.25@181.75,239.48 ; v1(187,244.75) 193.71,244.75 U35.2@193.75,244.71
  Bottom Layer w0.7: P61.25@181.75,239.48 185.98,239.48 187,240.5 v1(187,244.75)
LED3_A3: P61.27 P61.28 U35.6 | length 17.6
  Top Layer w0.7: P61.28@179.21,242.02 P61.27@181.75,242.02 183.98,242.02 191.45,234.55 U35.6@193.75,234.55
LED4_A0: P61.31 P61.32 U34.7 | length 17.2
  Top Layer w0.7: P61.32@179.21,247.1 P61.31@181.75,247.1 185.35,247.1 191.76,253.51 U34.7@193.75,253.51
LED4_A1: P61.33 P61.34 U34.1 | length 32.6
  Top Layer w0.7: P61.34@179.21,249.64 P61.33@181.75,249.64
  Bottom Layer w0.7: P61.33@181.75,249.64 188.14,249.64 189.25,250.75 189.25,268 190,268.75 U34.1@193.75,268.75
LED4_A2: P61.35 P61.36 U34.2 | length 28
  Top Layer w0.7: P61.36@179.21,252.18 P61.35@181.75,252.18 ; v1(187,266.25) 187.04,266.21 U34.2@193.75,266.21
  Bottom Layer w0.7: P61.35@181.75,252.18 185.93,252.18 187,253.25 v1(187,266.25)
LED4_A3: P61.37 P61.38 U34.6 | length 15.1
  Top Layer w0.7: P61.38@179.21,254.72 P61.37@181.75,254.72 186.97,254.72 188.3,256.05 U34.6@193.75,256.05
LED-IN1: P60.3 P60.4 U31.1 | length 17
  Top Layer w0.7: U31.1@95.75,60.5 101.25,60.5 105.96,55.79 P60.4@108.21,55.79 P60.3@110.75,55.79
LED-IN2: P60.5 P60.6 U31.2 | length 16.4
  Top Layer w0.7: U31.2@95.75,61.77 102.73,61.77 106.17,58.33 P60.6@108.21,58.33 P60.5@110.75,58.33
LED-IN3: P60.7 P60.8 U31.3 | length 15.9
  Top Layer w0.7: U31.3@95.75,63.04 103.96,63.04 106.13,60.87 P60.8@108.21,60.87 P60.7@110.75,60.87
LED-IN4: P60.9 P60.10 U31.4 | length 15.4
  Top Layer w0.7: U31.4@95.75,64.31 104.44,64.31 105.34,63.41 P60.10@108.21,63.41 P60.9@110.75,63.41
LED-IN5: P60.11 P60.12 U31.5 | length 15.2
  Top Layer w0.7: U31.5@95.75,65.58 107.83,65.58 108.25,66 110.7,66 P60.11@110.75,65.95
LED-IN6: P60.13 P60.14 U31.6 | length 15.7
  Top Layer w0.7: U31.6@95.75,66.85 102.85,66.85 104.5,68.5 110.74,68.5 P60.13@110.75,68.49
LED-IN7: P60.15 P60.16 U31.7 | length 16.2
  Top Layer w0.7: U31.7@95.75,68.12 101.62,68.12 104.53,71.03 P60.16@108.21,71.03 P60.15@110.75,71.03
LED-IN8: P60.17 P60.18 U31.8 | length 16.7
  Top Layer w0.7: U31.8@95.75,69.39 100.64,69.39 104.82,73.57 P60.18@108.21,73.57 P60.17@110.75,73.57
LS90_CLK0: P8.1 P8.2 U4.14 | length 26.1
  Bottom Layer w0.7: U4.14@264.87,145.94 274.94,145.94 275.96,146.96 P8.2@275.96,159 P8.1@278.5,159
LS90_CLK1: P8.7 P8.8 U5.14 | length 19.4
  Bottom Layer w0.7: U5.14@264.87,159.357 269.107,159.357 270.25,160.5 270.25,165.25 271.62,166.62 P8.8@275.96,166.62 P8.7@278.5,166.62
LS90_CLK2: P8.13 P8.14 U6.14 | length 14.2
  Bottom Layer w0.7: U6.14@264.87,172.773 271.273,172.773 272.74,174.24 P8.14@275.96,174.24 P8.13@278.5,174.24
LS90_CLK3: P8.19 P8.20 U7.14 | length 17
  Bottom Layer w0.7: U7.14@264.87,186.19 267.25,186.19 268,185.44 268,182.75 268.89,181.86 P8.20@275.96,181.86 P8.19@278.5,181.86
LS90_QA0: P7.1 P7.2 U4.1 U4.12 | length 42.5
  Bottom Layer w0.7: P7.2@233.96,147 P7.1@236.5,147 236.5,144.75 237.75,143.5 258.75,143.5 259.79,144.54 U4.12@259.79,145.94 259.79,149.29 260.5,150 264.5,150 264.87,150.37 U4.1@264.87,153.56